# Altium PCB mantarray_beta_drv425_Mounting_Holes.PcbDoc (part 4 of 5) (continued)
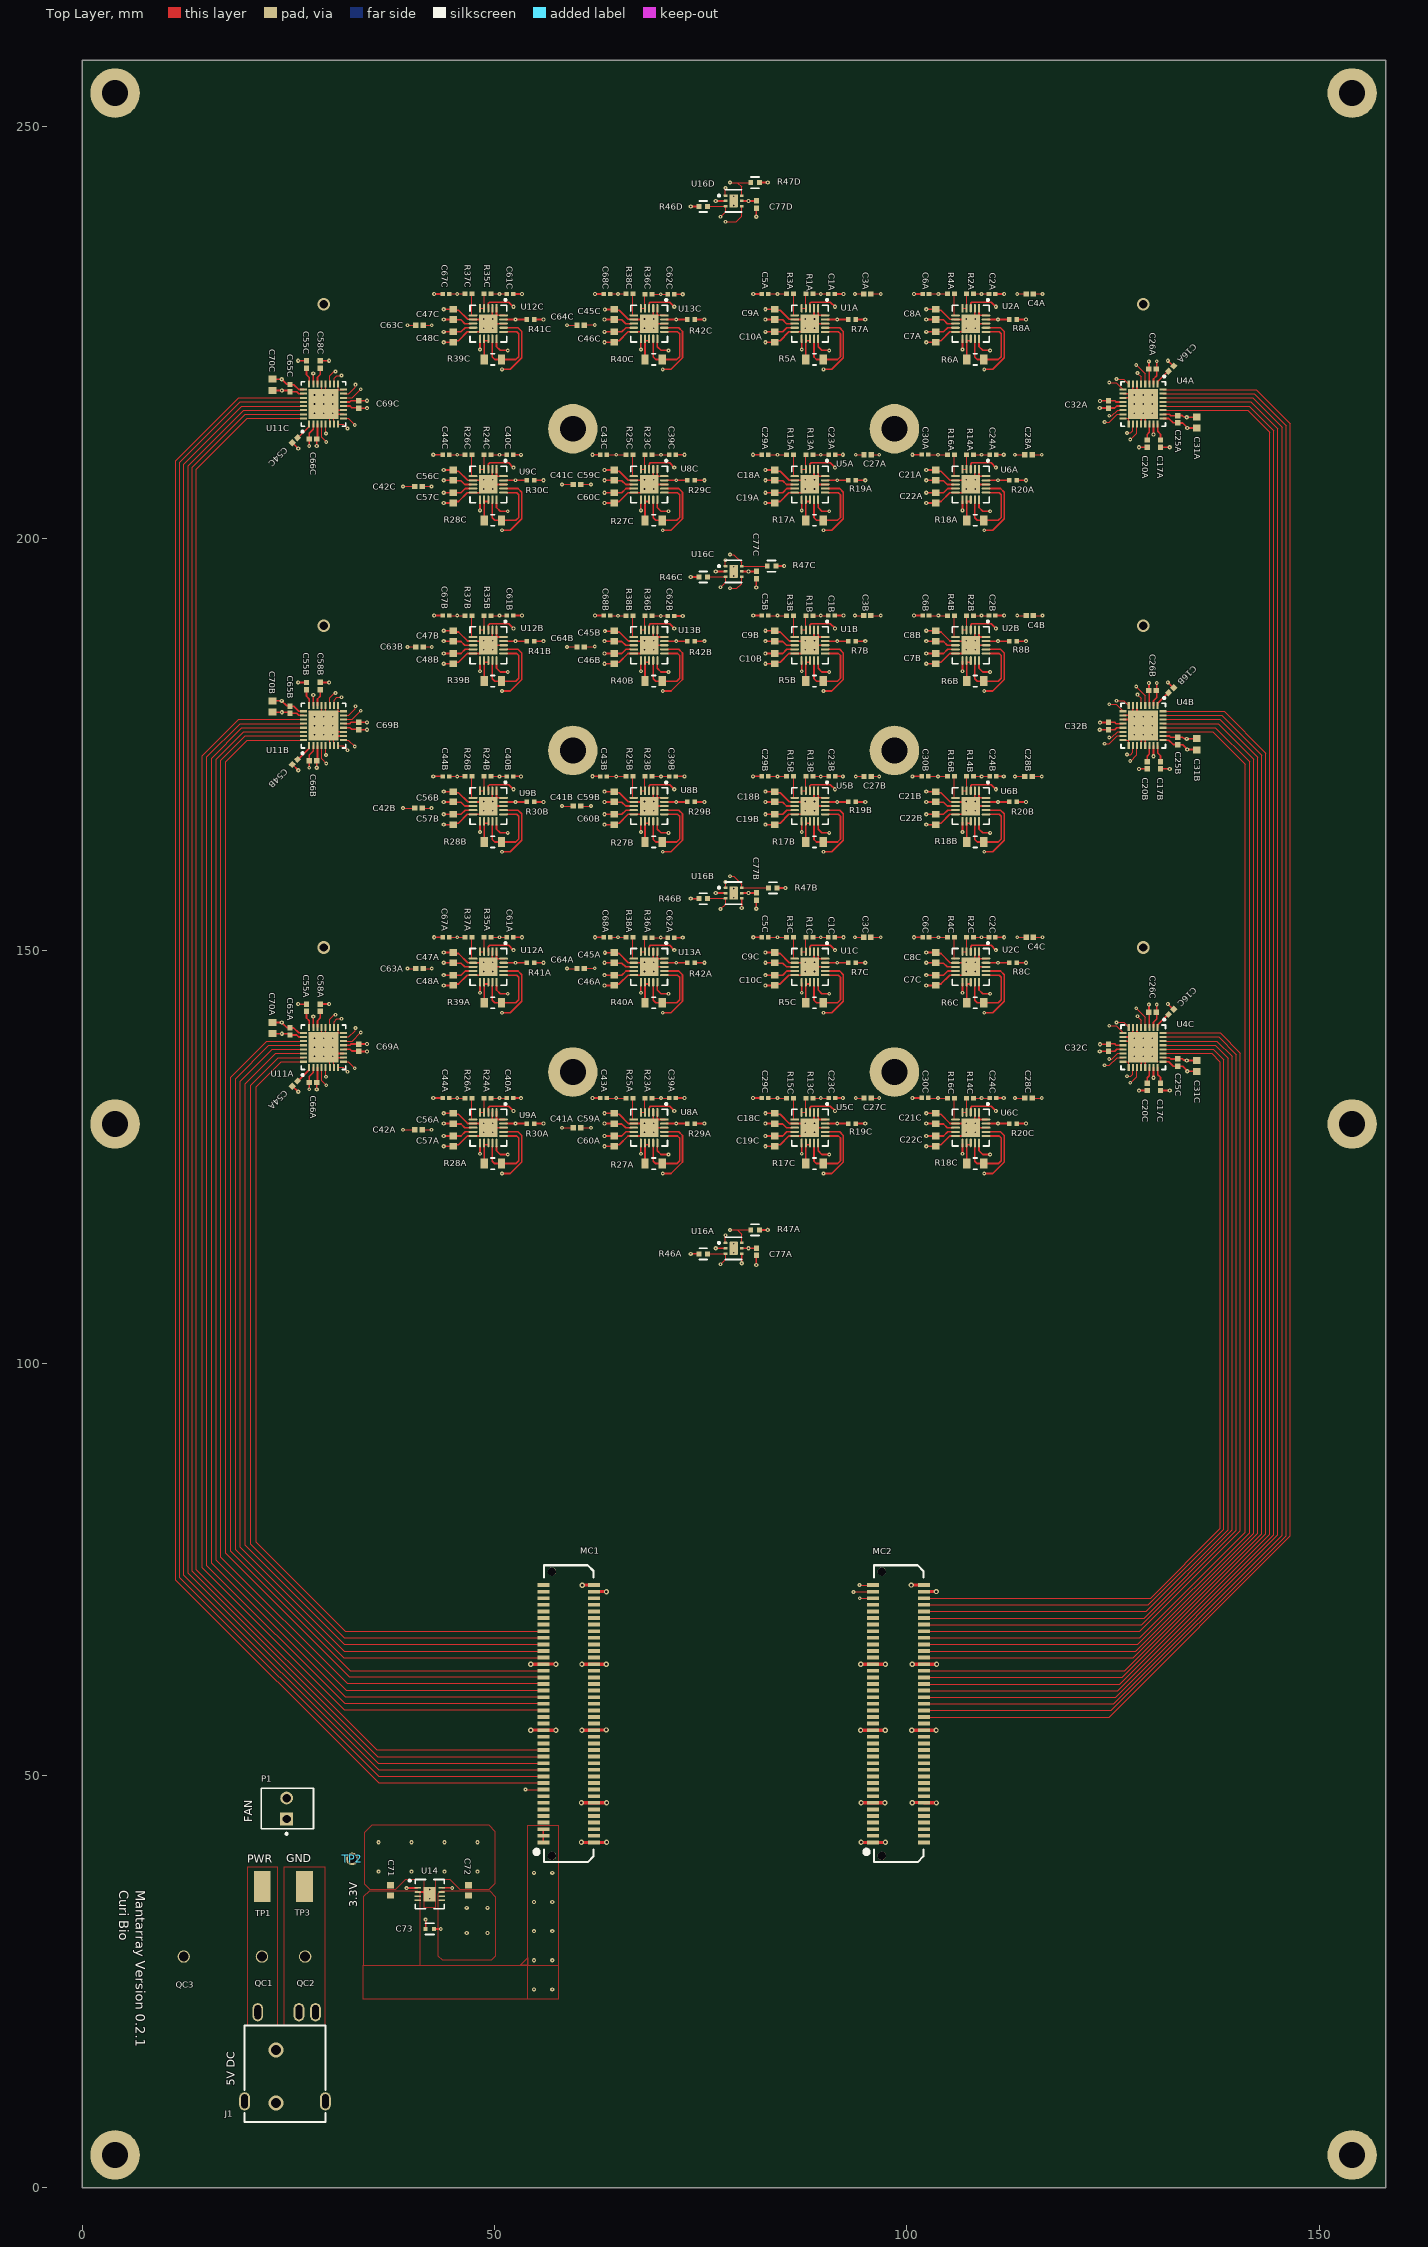
[diagram p0: Top Layer view]
## Nets (pads, with @x,y where several pads share a name; then routed paths per layer and width w, separated by ;. In a path a pad name is that pad's centre, name@x,y a point inside that pad or via, vN(x,y) a via of type N, cw(c..) or ccw(c..) an arc to the next point about the centre after c; other vN are vias at no path point) (continued)
  Top Layer w0.305: v5(100.65,63.5) v5@100.85,63.5 ; MC2.56@102.084,63.5 MC2.56@102.088,63.496
  Top Layer w0.381: v5(54.4,55.5) 55.914,55.5 MC1.35@55.918,55.496 55.92,55.498 55.924,55.498 57.452,55.498 v5(57.458,55.492) ; v5(54.4,63.5) 55.914,63.5 MC1.55@55.918,63.496 55.926,63.504 v5(57.446,63.504) ; v5(60.55,41.9) 62.084,41.9 MC1.2@62.088,41.896 63.596,41.896 v5(63.6,41.9) ; v5(60.55,46.7) 62.084,46.7 MC1.14@62.088,46.696 62.092,46.7 v5(63.6,46.7) ; v5(60.64,73.075) 60.663,73.098 62.085,73.098 MC1.80@62.088,73.096 ; MC1.78@62.088,72.296 63.552,72.296 v5(63.569,72.279) ; v5(94.45,41.9) 94.452,41.898 95.916,41.898 MC2.1@95.918,41.896 95.919,41.898 97.398,41.898 v5(97.4,41.9) ; v5(94.45,46.7) 94.454,46.696 MC2.13@95.918,46.696 95.919,46.698 97.348,46.698 v5(97.35,46.7) ; v5(100.543,73.1) 102.083,73.1 MC2.80@102.088,73.096 ; v5(100.6,55.5) 100.602,55.498 102.086,55.498 MC2.36@102.088,55.496 102.089,55.498 103.548,55.498 v5(103.55,55.5) ; v5(100.645,46.71) 102.074,46.71 MC2.14@102.088,46.696 103.579,46.696 v5(103.591,46.684) ; v5@100.85,63.5 MC2.56@102.084,63.5 ; MC2.56@102.088,63.496 102.091,63.5 v5(103.6,63.5) ; MC2.78@102.088,72.296 103.549,72.296 v5(103.566,72.313)
  other v1: 35.95,38.35 39.95,38.35 43.95,38.35 47.95,38.35 35.95,41.9 39.95,41.9 43.95,41.9 47.95,41.9 53.215,132.135 42.588,132.146 28.037,142.016 26.19,143.547 62.194,151.65 81.369,151.65 42.588,171.146 53.215,171.135 123.399,176.809 28.037,181.016 26.19,182.547 62.194,190.65 81.369,190.65 42.588,210.146 53.215,210.135 28.037,220.016 26.19,221.547 62.194,229.65 81.369,229.65
  other v3: 42.15,35.075 42.15,36.175 48.7,128 49.8,128 69.3,128 88.8,128 108.3,128 48.7,129.1 49.8,129.1 68.2,129.1 69.3,129.1 87.7,129.1 88.8,129.1 107.2,129.1 108.3,129.1 48.7,147.5 49.8,147.5 69.3,147.5 88.8,147.5 108.3,147.5 48.7,148.6 49.8,148.6 68.2,148.6 69.3,148.6 87.7,148.6 88.8,148.6 107.2,148.6 108.3,148.6 48.7,167 49.8,167 69.3,167 88.8,167 108.3,167 48.7,168.1 49.8,168.1 68.2,168.1 69.3,168.1 87.7,168.1 88.8,168.1 107.2,168.1 108.3,168.1 48.7,186.5 49.8,186.5 69.3,186.5 88.8,186.5 108.3,186.5 48.7,187.6 49.8,187.6 68.2,187.6 69.3,187.6 87.7,187.6 88.8,187.6 107.2,187.6 108.3,187.6 48.7,206 49.8,206 69.3,206 88.8,206 108.3,206 48.7,207.1 49.8,207.1 68.2,207.1 69.3,207.1 87.7,207.1 88.8,207.1 107.2,207.1 108.3,207.1 48.7,225.5 49.8,225.5 69.3,225.5 88.8,225.5 108.3,225.5 48.7,226.6 49.8,226.6 68.2,226.6 69.3,226.6 87.7,226.6 88.8,226.6 107.2,226.6 108.3,226.6
  other v4: 28.187,137.2 29.287,137.2 30.387,137.2 128.66,137.2 28.187,138.3 30.387,138.3 127.56,138.3 129.76,138.3 28.187,139.4 29.287,139.4 128.66,139.4 129.76,139.4 28.187,176.2 29.287,176.2 30.387,176.2 128.66,176.2 28.187,177.3 30.387,177.3 127.56,177.3 129.76,177.3 28.187,178.4 29.287,178.4 128.66,178.4 129.76,178.4 28.187,215.2 29.287,215.2 30.387,215.2 128.66,215.2 28.187,216.3 30.387,216.3 127.56,216.3 129.76,216.3 28.187,217.4 29.287,217.4 128.66,217.4 129.76,217.4
  other v6: 29.287,150.4 128.66,150.4 29.287,189.4 128.66,189.4 29.287,228.4 128.66,228.4
MDC_BOOT: MC2.38
MDC_BUZZ: MC2.24
MDC_CTS: MC2.30
MDC_LED: MC2.22
MDC_PD: MC2.26
MDC_RTS: MC2.28
MDC_RXD: MC2.34
MDC_TRIG: MC2.18
MDC_TXD: MC2.32
MDC_WAKE: MC2.20
MISO_0: MC2.48 U4A.28 | length 198.8
  Top Layer w0.127: MC2.48@102.088,60.296 125.585,60.296 144.5,79.211 144.5,213.072 141.522,216.05 U4A.28@131.085,216.05
MISO_1: MC2.62 U4B.28 | length 150.7
  Top Layer w0.127: MC2.62@102.088,65.896 127.985,65.896 141.55,79.461 141.55,172.9 137.4,177.05 U4B.28@131.085,177.05
MISO_2: MC2.74 U4C.28 | length 105
  Top Layer w0.127: MC2.74@102.088,70.696 129.285,70.696 138.45,79.861 138.45,136.772 137.172,138.05 U4C.28@131.085,138.05
MISO_3: MC1.21 U11C.28 | length 207.3
  Top Layer w0.127: U11C.28@26.862,216.55 26.373,216.55 19.172,216.55 11.85,209.228 11.85,73.991 35.945,49.896 MC1.21@55.918,49.896
MISO_4: MC1.43 U11B.28 | length 159.2
  Top Layer w0.127: U11B.28@26.862,177.55 26.373,177.55 19.172,177.55 15.137,173.516 15.137,75.463 31.84,58.76 55.854,58.76 MC1.43@55.918,58.696
MISO_5: MC1.57 U11A.28 | length 109.8
  Top Layer w0.127: U11A.28@26.862,138.55 22.65,138.55 18.6,134.5 18.6,77.4 31.704,64.296 MC1.57@55.918,64.296
MOSI_0: MC2.46 U4A.29 | length 200.4
  Top Layer w0.127: MC2.46@102.088,59.496 125.324,59.496 145,79.172 145,213.279 141.729,216.55 U4A.29@131.085,216.55
MOSI_1: MC2.60 U4B.29 | length 152.5
  Top Layer w0.127: MC2.60@102.088,65.096 127.746,65.096 142.05,79.4 142.05,173.25 137.75,177.55 U4B.29@131.085,177.55
MOSI_2: MC2.72 U4C.29 | length 106.6
  Top Layer w0.127: MC2.72@102.088,69.896 129.024,69.896 138.95,79.822 138.95,136.979 137.379,138.55 U4C.29@131.085,138.55
MOSI_3: MC1.23 U11C.29 | length 205.5
  Top Layer w0.127: U11C.29@26.862,216.05 19.379,216.05 12.35,209.021 12.35,74.291 35.945,50.696 MC1.23@55.918,50.696
MOSI_4: MC1.45 U11B.29 | length 157.3
  Top Layer w0.127: U11B.29@26.862,177.05 19.379,177.05 15.703,173.374 15.703,75.747 31.89,59.56 55.854,59.56 MC1.45@55.918,59.496
MOSI_5: MC1.59 U11A.29 | length 107.7
  Top Layer w0.127: U11A.29@26.862,138.05 23.05,138.05 19.2,134.2 19.2,77.7 31.804,65.096 MC1.59@55.918,65.096
MOSI_DAC: MC2.21
NetC73_1: C73.1 U14.8 | length 7.7
  Top Layer w0.203: C73.1@42.65,31.4 v2(43.5,31.4) ; U14.8@43.7,36.375 v2(44.885,36.375)
  Signal 1 w0.203: v2(43.5,31.4) 43.75,31.4 44.885,32.535 v2(44.885,36.375)
NetR1A_1: R1A.1 U1A.4 U1A.5 | length 2.2
  Top Layer w0.127: U1A.5@87.25,227.9 U1A.4@87.75,227.9 R1A.1@87.75,229.65
NetR1B_1: R1B.1 U1B.4 U1B.5 | length 2.2
  Top Layer w0.127: U1B.5@87.25,188.9 U1B.4@87.75,188.9 R1B.1@87.75,190.65
NetR1C_1: R1C.1 U1C.4 U1C.5 | length 2.2
  Top Layer w0.127: U1C.5@87.25,149.9 U1C.4@87.75,149.9 R1C.1@87.75,151.65
NetR2A_1: R2A.1 U2A.4 U2A.5 | length 2.3
  Top Layer w0.127: U2A.5@106.75,227.9 U2A.4@107.25,227.9 ; U2A.4@107.25,227.85 U2A.4@107.25,227.9 ; R2A.1@107.25,229.675 U2A.4@107.25,227.9
NetR2B_1: R2B.1 U2B.4 U2B.5 | length 2.3
  Top Layer w0.127: U2B.5@106.75,188.9 U2B.4@107.25,188.9 ; U2B.4@107.25,188.85 U2B.4@107.25,188.9 ; R2B.1@107.25,190.675 U2B.4@107.25,188.9
NetR2C_1: R2C.1 U2C.4 U2C.5 | length 2.3
  Top Layer w0.127: U2C.5@106.75,149.9 U2C.4@107.25,149.9 ; U2C.4@107.25,149.85 U2C.4@107.25,149.9 ; R2C.1@107.25,151.675 U2C.4@107.25,149.9
NetR3A_1: R3A.1 U1A.6 | length 2.6
  Top Layer w0.127: U1A.6@86.275,227.05 R3A.1@86.275,229.65
NetR3B_1: R3B.1 U1B.6 | length 2.6
  Top Layer w0.127: U1B.6@86.275,188.05 R3B.1@86.275,190.65
NetR3C_1: R3C.1 U1C.6 | length 2.6
  Top Layer w0.127: U1C.6@86.275,149.05 R3C.1@86.275,151.65
NetR4A_1: R4A.1 U2A.6 | length 2.6
  Top Layer w0.127: U2A.6@105.775,227.05 R4A.1@105.775,229.675
NetR4B_1: R4B.1 U2B.6 | length 2.6
  Top Layer w0.127: U2B.6@105.775,188.05 R4B.1@105.775,190.675
NetR4C_1: R4C.1 U2C.6 | length 2.6
  Top Layer w0.127: U2C.6@105.775,149.05 R4C.1@105.775,151.675
NetR7A_2: R7A.2 U1A.15 U1A.19 | length 8.8
  Top Layer w0.203: U1A.15@89.25,223.8 89.25,223.25 89.7,222.8 v2(90.6,222.8) ; U1A.19@90.351,226.55 v2(91.55,226.55) R7A.2@92.9,226.55
  Signal 1 w0.203: v2(90.6,222.8) 91.55,223.75 v2(91.55,226.55)
NetR7B_2: R7B.2 U1B.15 U1B.19 | length 8.8
  Top Layer w0.203: U1B.15@89.25,184.8 89.25,184.25 89.7,183.8 v2(90.6,183.8) ; U1B.19@90.351,187.55 v2(91.55,187.55) R7B.2@92.9,187.55
  Signal 1 w0.203: v2(90.6,183.8) 91.55,184.75 v2(91.55,187.55)
NetR7C_2: R7C.2 U1C.15 U1C.19 | length 8.8
  Top Layer w0.203: U1C.15@89.25,145.8 89.25,145.25 89.7,144.8 v2(90.6,144.8) ; U1C.19@90.351,148.55 v2(91.55,148.55) R7C.2@92.9,148.55
  Signal 1 w0.203: v2(90.6,144.8) 91.55,145.75 v2(91.55,148.55)
NetR8A_2: R8A.2 U2A.15 U2A.19 | length 8.8
  Top Layer w0.203: U2A.15@108.75,223.8 108.75,223.25 109.2,222.8 v2(110.1,222.8) ; U2A.19@109.851,226.55 v2(111.05,226.55) R8A.2@112.4,226.55
  Signal 1 w0.203: v2(110.1,222.8) 111.05,223.75 v2(111.05,226.55)
NetR8B_2: R8B.2 U2B.15 U2B.19 | length 8.8
  Top Layer w0.203: U2B.15@108.75,184.8 108.75,184.25 109.2,183.8 v2(110.1,183.8) ; U2B.19@109.851,187.55 v2(111.05,187.55) R8B.2@112.4,187.55
  Signal 1 w0.203: v2(110.1,183.8) 111.05,184.75 v2(111.05,187.55)
NetR8C_2: R8C.2 U2C.15 U2C.19 | length 8.8
  Top Layer w0.203: U2C.15@108.75,145.8 108.75,145.25 109.2,144.8 v2(110.1,144.8) ; U2C.19@109.851,148.55 v2(111.05,148.55) R8C.2@112.4,148.55
  Signal 1 w0.203: v2(110.1,144.8) 111.05,145.75 v2(111.05,148.55)
NetR13A_1: R13A.1 U5A.4 U5A.5 | length 2.3
  Top Layer w0.127: U5A.5@87.25,208.4 U5A.4@87.75,208.4 R13A.1@87.75,210.15
NetR13B_1: R13B.1 U5B.4 U5B.5 | length 2.3
  Top Layer w0.127: U5B.5@87.25,169.4 U5B.4@87.75,169.4 R13B.1@87.75,171.15
NetR13C_1: R13C.1 U5C.4 U5C.5 | length 2.3
  Top Layer w0.127: U5C.5@87.25,130.4 U5C.4@87.75,130.4 R13C.1@87.75,132.15
NetR14A_2: R14A.2 U6A.4 U6A.5 | length 2.3
  Top Layer w0.127: U6A.5@106.75,208.4 U6A.4@107.25,208.4 R14A.2@107.25,210.15
NetR14B_2: R14B.2 U6B.4 U6B.5 | length 2.3
  Top Layer w0.127: U6B.5@106.75,169.4 U6B.4@107.25,169.4 R14B.2@107.25,171.15
NetR14C_2: R14C.2 U6C.4 U6C.5 | length 2.3
  Top Layer w0.127: U6C.5@106.75,130.4 U6C.4@107.25,130.4 R14C.2@107.25,132.15
NetR15A_1: R15A.1 U5A.6 | length 2.6
  Top Layer w0.127: U5A.6@86.275,207.55 R15A.1@86.275,210.15
NetR15B_1: R15B.1 U5B.6 | length 2.6
  Top Layer w0.127: U5B.6@86.275,168.55 R15B.1@86.275,171.15
NetR15C_1: R15C.1 U5C.6 | length 2.6
  Top Layer w0.127: U5C.6@86.275,129.55 R15C.1@86.275,132.15
NetR16A_2: R16A.2 U6A.6 | length 2.6
  Top Layer w0.127: U6A.6@105.775,207.55 R16A.2@105.775,210.175
NetR16B_2: R16B.2 U6B.6 | length 2.6
  Top Layer w0.127: U6B.6@105.775,168.55 R16B.2@105.775,171.175
NetR16C_2: R16C.2 U6C.6 | length 2.6
  Top Layer w0.127: U6C.6@105.775,129.55 R16C.2@105.775,132.175
NetR19A_2: R19A.2 U5A.15 U5A.19 | length 8.8
  Top Layer w0.203: U5A.15@89.25,204.3 89.25,203.75 89.7,203.3 v2(90.6,203.3) ; U5A.19@90.351,207.05 v2(91.55,207.05) R19A.2@92.9,207.05
  Signal 1 w0.203: v2(90.6,203.3) 91.55,204.25 v2(91.55,207.05)
NetR19B_2: R19B.2 U5B.15 U5B.19 | length 8.8
  Top Layer w0.203: U5B.15@89.25,165.3 89.25,164.75 89.7,164.3 v2(90.6,164.3) ; U5B.19@90.351,168.05 v2(91.55,168.05) R19B.2@92.9,168.05
  Signal 1 w0.203: v2(90.6,164.3) 91.55,165.25 v2(91.55,168.05)
NetR19C_2: R19C.2 U5C.15 U5C.19 | length 8.8
  Top Layer w0.203: U5C.15@89.25,126.3 89.25,125.75 89.7,125.3 v2(90.6,125.3) ; U5C.19@90.351,129.05 v2(91.55,129.05) R19C.2@92.9,129.05
  Signal 1 w0.203: v2(90.6,125.3) 91.55,126.25 v2(91.55,129.05)
NetR20A_2: R20A.2 U6A.15 U6A.19 | length 8.8
  Top Layer w0.203: U6A.15@108.75,204.3 108.75,203.75 109.2,203.3 v2(110.1,203.3) ; U6A.19@109.851,207.05 v2(111.05,207.05) R20A.2@112.4,207.05
  Signal 1 w0.203: v2(110.1,203.3) 111.05,204.25 v2(111.05,207.05)
NetR20B_2: R20B.2 U6B.15 U6B.19 | length 8.8
  Top Layer w0.203: U6B.15@108.75,165.3 108.75,164.75 109.2,164.3 v2(110.1,164.3) ; U6B.19@109.851,168.05 v2(111.05,168.05) R20B.2@112.4,168.05
  Signal 1 w0.203: v2(110.1,164.3) 111.05,165.25 v2(111.05,168.05)
NetR20C_2: R20C.2 U6C.15 U6C.19 | length 8.8
  Top Layer w0.203: U6C.15@108.75,126.3 108.75,125.75 109.2,125.3 v2(110.1,125.3) ; U6C.19@109.851,129.05 v2(111.05,129.05) R20C.2@112.4,129.05
  Signal 1 w0.203: v2(110.1,125.3) 111.05,126.25 v2(111.05,129.05)
NetR23A_2: R23A.2 U8A.4 U8A.5 | length 2.2
  Top Layer w0.127: U8A.5@67.75,130.4 U8A.4@68.25,130.4 R23A.2@68.25,132.146
NetR23B_2: R23B.2 U8B.4 U8B.5 | length 2.2
  Top Layer w0.127: U8B.5@67.75,169.4 U8B.4@68.25,169.4 R23B.2@68.25,171.146
NetR23C_2: R23C.2 U8C.4 U8C.5 | length 2.2
  Top Layer w0.127: U8C.5@67.75,208.4 U8C.4@68.25,208.4 R23C.2@68.25,210.146
NetR24A_2: R24A.2 U9A.4 U9A.5 | length 2.2
  Top Layer w0.127: U9A.5@48.25,130.4 U9A.4@48.75,130.4 R24A.2@48.75,132.146
NetR24B_2: R24B.2 U9B.4 U9B.5 | length 2.2
  Top Layer w0.127: U9B.5@48.25,169.4 U9B.4@48.75,169.4 R24B.2@48.75,171.146
NetR24C_2: R24C.2 U9C.4 U9C.5 | length 2.2
  Top Layer w0.127: U9C.5@48.25,208.4 U9C.4@48.75,208.4 R24C.2@48.75,210.146
NetR25A_2: R25A.2 U8A.6 | length 2.6
  Top Layer w0.127: U8A.6@66.775,129.55 R25A.2@66.775,132.146
NetR25B_2: R25B.2 U8B.6 | length 2.6
  Top Layer w0.127: U8B.6@66.775,168.55 R25B.2@66.775,171.146
NetR25C_2: R25C.2 U8C.6 | length 2.6
  Top Layer w0.127: U8C.6@66.775,207.55 R25C.2@66.775,210.146
NetR26A_2: R26A.2 U9A.6 | length 2.6
  Top Layer w0.127: U9A.6@47.275,129.55 R26A.2@47.275,132.146
NetR26B_2: R26B.2 U9B.6 | length 2.6
  Top Layer w0.127: U9B.6@47.275,168.55 R26B.2@47.275,171.146
NetR26C_2: R26C.2 U9C.6 | length 2.6
  Top Layer w0.127: U9C.6@47.275,207.55 R26C.2@47.275,210.146
NetR29A_2: R29A.2 U8A.15 U8A.19 | length 8.8
  Top Layer w0.203: U8A.15@69.75,126.3 69.75,125.75 70.2,125.3 v2(71.1,125.3) ; U8A.19@70.851,129.05 v2(72.05,129.05) R29A.2@73.4,129.05
  Signal 1 w0.203: v2(71.1,125.3) 72.05,126.25 v2(72.05,129.05)
NetR29B_2: R29B.2 U8B.15 U8B.19 | length 8.8
  Top Layer w0.203: U8B.15@69.75,165.3 69.75,164.75 70.2,164.3 v2(71.1,164.3) ; U8B.19@70.851,168.05 v2(72.05,168.05) R29B.2@73.4,168.05
  Signal 1 w0.203: v2(71.1,164.3) 72.05,165.25 v2(72.05,168.05)
NetR29C_2: R29C.2 U8C.15 U8C.19 | length 8.8
  Top Layer w0.203: U8C.15@69.75,204.3 69.75,203.75 70.2,203.3 v2(71.1,203.3) ; U8C.19@70.851,207.05 v2(72.05,207.05) R29C.2@73.4,207.05
  Signal 1 w0.203: v2(71.1,203.3) 72.05,204.25 v2(72.05,207.05)
NetR30A_2: R30A.2 U9A.15 U9A.19 | length 8.8
  Top Layer w0.203: U9A.15@50.25,126.3 50.25,125.75 50.7,125.3 v2(51.6,125.3) ; U9A.19@51.351,129.05 v2(52.55,129.05) R30A.2@53.9,129.05
  Signal 1 w0.203: v2(51.6,125.3) 52.55,126.25 v2(52.55,129.05)
NetR30B_2: R30B.2 U9B.15 U9B.19 | length 8.8
  Top Layer w0.203: U9B.15@50.25,165.3 50.25,164.75 50.7,164.3 v2(51.6,164.3) ; U9B.19@51.351,168.05 v2(52.55,168.05) R30B.2@53.9,168.05
  Signal 1 w0.203: v2(51.6,164.3) 52.55,165.25 v2(52.55,168.05)
NetR30C_2: R30C.2 U9C.15 U9C.19 | length 8.8
  Top Layer w0.203: U9C.15@50.25,204.3 50.25,203.75 50.7,203.3 v2(51.6,203.3) ; U9C.19@51.351,207.05 v2(52.55,207.05) R30C.2@53.9,207.05
  Signal 1 w0.203: v2(51.6,203.3) 52.55,204.25 v2(52.55,207.05)
NetR35A_2: R35A.2 U12A.4 U12A.5 | length 2.3
  Top Layer w0.127: U12A.5@48.25,149.9 U12A.4@48.75,149.9 R35A.2@48.75,151.65
NetR35B_2: R35B.2 U12B.4 U12B.5 | length 2.3
  Top Layer w0.127: U12B.5@48.25,188.9 U12B.4@48.75,188.9 R35B.2@48.75,190.65
NetR35C_2: R35C.2 U12C.4 U12C.5 | length 2.3
  Top Layer w0.127: U12C.5@48.25,227.9 U12C.4@48.75,227.9 R35C.2@48.75,229.65
NetR36A_2: R36A.2 U13A.4 U13A.5 | length 2.2
  Top Layer w0.127: U13A.5@67.75,149.9 U13A.4@68.25,149.9 R36A.2@68.25,151.6
NetR36B_2: R36B.2 U13B.4 U13B.5 | length 2.2
  Top Layer w0.127: U13B.5@67.75,188.9 U13B.4@68.25,188.9 R36B.2@68.25,190.6
NetR36C_2: R36C.2 U13C.4 U13C.5 | length 2.2
  Top Layer w0.127: U13C.5@67.75,227.9 U13C.4@68.25,227.9 R36C.2@68.25,229.6
NetR37A_2: R37A.2 U12A.6 | length 2.6
  Top Layer w0.127: U12A.6@47.275,149.05 R37A.2@47.275,151.65
NetR37B_2: R37B.2 U12B.6 | length 2.6
  Top Layer w0.127: U12B.6@47.275,188.05 R37B.2@47.275,190.65
NetR37C_2: R37C.2 U12C.6 | length 2.6
  Top Layer w0.127: U12C.6@47.275,227.05 R37C.2@47.275,229.65
NetR38A_2: R38A.2 U13A.6 | length 2.6
  Top Layer w0.127: U13A.6@66.775,149.05 R38A.2@66.775,151.65
NetR38B_2: R38B.2 U13B.6 | length 2.6
  Top Layer w0.127: U13B.6@66.775,188.05 R38B.2@66.775,190.65
NetR38C_2: R38C.2 U13C.6 | length 2.6
  Top Layer w0.127: U13C.6@66.775,227.05 R38C.2@66.775,229.65
NetR41A_2: R41A.2 U12A.15 U12A.19 | length 8.8
  Top Layer w0.203: U12A.15@50.25,145.8 50.25,145.25 50.7,144.8 v2(51.6,144.8) ; U12A.19@51.351,148.55 v2(52.55,148.55) R41A.2@53.9,148.55
  Signal 1 w0.203: v2(51.6,144.8) 52.55,145.75 v2(52.55,148.55)
NetR41B_2: R41B.2 U12B.15 U12B.19 | length 8.8
  Top Layer w0.203: U12B.15@50.25,184.8 50.25,184.25 50.7,183.8 v2(51.6,183.8) ; U12B.19@51.351,187.55 v2(52.55,187.55) R41B.2@53.9,187.55
  Signal 1 w0.203: v2(51.6,183.8) 52.55,184.75 v2(52.55,187.55)
NetR41C_2: R41C.2 U12C.15 U12C.19 | length 8.8
  Top Layer w0.203: U12C.15@50.25,223.8 50.25,223.25 50.7,222.8 v2(51.6,222.8) ; U12C.19@51.351,226.55 v2(52.55,226.55) R41C.2@53.9,226.55
  Signal 1 w0.203: v2(51.6,222.8) 52.55,223.75 v2(52.55,226.55)
NetR42A_2: R42A.2 U13A.15 U13A.19 | length 8.8
  Top Layer w0.203: U13A.15@69.75,145.8 69.75,145.25 70.2,144.8 v2(71.1,144.8) ; U13A.19@70.851,148.55 v2(72.05,148.55) R42A.2@73.4,148.55
  Signal 1 w0.203: v2(71.1,144.8) 72.05,145.75 v2(72.05,148.55)
NetR42B_2: R42B.2 U13B.15 U13B.19 | length 8.8
  Top Layer w0.203: U13B.15@69.75,184.8 69.75,184.25 70.2,183.8 v2(71.1,183.8) ; U13B.19@70.851,187.55 v2(72.05,187.55) R42B.2@73.4,187.55
  Signal 1 w0.203: v2(71.1,183.8) 72.05,184.75 v2(72.05,187.55)
NetR42C_2: R42C.2 U13C.15 U13C.19 | length 8.8
  Top Layer w0.203: U13C.15@69.75,223.8 69.75,223.25 70.2,222.8 v2(71.1,222.8) ; U13C.19@70.851,226.55 v2(72.05,226.55) R42C.2@73.4,226.55
  Signal 1 w0.203: v2(71.1,222.8) 72.05,223.75 v2(72.05,226.55)
PWR_IN: J1.1 QC1.1 TP1.1
REF_2p5_LA: C58A.2 U11A.22 | length 1.9
  Top Layer w0.203: U11A.22@28.537,140.725 28.537,141.537 28.872,141.872 C58A.2@28.872,142.47
REF_2p5_LB: C58B.2 U11B.22 | length 1.9
  Top Layer w0.203: U11B.22@28.537,179.725 28.537,180.537 28.872,180.872 C58B.2@28.872,181.47
REF_2p5_LC: C58C.2 U11C.22 | length 1.9
  Top Layer w0.203: U11C.22@28.537,218.725 28.537,219.537 28.872,219.872 C58C.2@28.872,220.47
REF_2p5_RA: C20A.2 U4A.22 | length 2
  Top Layer w0.203: C20A.2@129.15,211.94 129.15,212.6 129.41,212.86 U4A.22@129.41,213.875
REF_2p5_RB: C20B.2 U4B.22 | length 2
  Top Layer w0.203: C20B.2@129.15,172.94 129.15,173.6 129.41,173.86 U4B.22@129.41,174.875
REF_2p5_RC: C20C.2 U4C.22 | length 2
  Top Layer w0.203: C20C.2@129.15,133.94 129.15,134.6 129.41,134.86 U4C.22@129.41,135.875
REGCAPALA: C55A.2 U11A.24 | length 1.9
  Top Layer w0.203: C55A.2@27.202,142.46 27.202,141.848 27.537,141.513 U11A.24@27.537,140.725 ; C55A.2@27.3,142.64 27.31,142.64 C55A.2@27.3,142.65
REGCAPALB: C55B.2 U11B.24 | length 1.9
  Top Layer w0.203: C55B.2@27.202,181.46 27.202,180.848 27.537,180.513 U11B.24@27.537,179.725 ; C55B.2@27.3,181.64 27.31,181.64 C55B.2@27.3,181.65
REGCAPALC: C55C.2 U11C.24 | length 1.9
  Top Layer w0.203: C55C.2@27.202,220.46 27.202,219.848 27.537,219.513 U11C.24@27.537,218.725 ; C55C.2@27.3,220.64 27.31,220.64 C55C.2@27.3,220.65
REGCAPARA: C17A.2 U4A.24 | length 2.1
  Top Layer w0.203: U4A.24@130.41,213.875 130.41,212.99 130.75,212.65 130.75,212.025 C17A.2@130.675,211.95 ; C17A.2@130.74,211.95 C17A.2@130.75,211.94
REGCAPARB: C17B.2 U4B.24 | length 2.1
  Top Layer w0.203: U4B.24@130.41,174.875 130.41,173.99 130.75,173.65 130.75,173.025 C17B.2@130.675,172.95 ; C17B.2@130.74,172.95 C17B.2@130.75,172.94
REGCAPARC: C17C.2 U4C.24 | length 2.1
  Top Layer w0.203: U4C.24@130.41,135.875 130.41,134.99 130.75,134.65 130.75,134.025 C17C.2@130.675,133.95 ; C17C.2@130.74,133.95 C17C.2@130.75,133.94
REGCAPDLA: C54A.2 U11A.1 | length 2.4
  Top Layer w0.203: C54A.2@26.142,134.18 27.537,135.575 U11A.1@27.537,135.773 ; U11A.1@27.513,135.75 U11A.1@27.537,135.773 ; U11A.1@27.537,135.773 U11A.1@27.537,135.875 U11A.1@27.537,135.773
REGCAPDLB: C54B.2 U11B.1 | length 2.4
  Top Layer w0.203: C54B.2@26.142,173.18 27.537,174.575 U11B.1@27.537,174.773 ; U11B.1@27.513,174.75 U11B.1@27.537,174.773 ; U11B.1@27.537,174.773 U11B.1@27.537,174.875 U11B.1@27.537,174.773
REGCAPDLC: C54C.2 U11C.1 | length 2.4
  Top Layer w0.203: C54C.2@26.142,212.18 27.537,213.575 U11C.1@27.537,213.773 ; U11C.1@27.513,213.75 U11C.1@27.537,213.773 ; U11C.1@27.537,213.875 U11C.1@27.537,213.773 ; U11C.1@27.537,213.875 U11C.1@27.537,213.773
REGCAPDRA: C16A.2 U4A.1 | length 2.2
  Top Layer w0.203: U4A.1@130.41,218.725 130.41,219.025 131.695,220.31 C16A.2@131.728,220.278
REGCAPDRB: C16B.2 U4B.1 | length 2.2
  Top Layer w0.203: U4B.1@130.41,179.725 130.41,180.025 131.695,181.31 C16B.2@131.728,181.278
REGCAPDRC: C16C.2 U4C.1 | length 2.2
  Top Layer w0.203: U4C.1@130.41,140.725 130.41,141.025 131.695,142.31 C16C.2@131.728,142.278
RST_B_DAC: MC2.15
SB_B_DAC: MC2.16
SCL_T: MC2.77 U16A.1 U16B.1 U16C.1 U16D.1 U16D.4 | length 186.8
  Top Layer w0.127: v2(78,115.5) 78.012,115.487 78.012,114.587 U16A.1@78.025,114.575 ; v2(78,158.35) 78.025,158.325 U16B.1@78.025,157.65 ; v2(78,197.35) 78,196.675 U16C.1@78.025,196.65 ; v2(78,238.4) 79.3,238.4 79.975,239.075 U16D.4@79.975,240.275 ; v2@78.012,242.487 78.012,241.587 U16D.1@78.025,241.575 ; v2(93.532,72.268) 95.89,72.268 MC2.77@95.918,72.296
  Signal 1 w0.127: v2(78,242.5) v2(78,238.4) v2(78,197.35) v2(78,158.35) 78,153.45 v2(78,115.5) 78,86.05 91.782,72.268 v2(93.532,72.268)
SCLK_0: MC2.44 U4A.30 | length 202.1
  Top Layer w0.127: MC2.44@102.088,58.696 125.062,58.696 145.5,79.134 145.5,213.486 141.936,217.05 U4A.30@131.085,217.05
SCLK_1: MC2.58 U4B.30 | length 154.1
  Top Layer w0.127: MC2.58@102.088,64.296 127.462,64.296 142.55,79.384 142.55,173.45 137.95,178.05 U4B.30@131.085,178.05
SCLK_2: MC2.70 U4C.30 | length 108.3
  Top Layer w0.127: MC2.70@102.088,69.096 128.762,69.096 139.45,79.784 139.45,137.186 137.586,139.05 U4C.30@131.085,139.05
SCLK_3: MC1.25 U11C.30 | length 203.7
  Top Layer w0.127: U11C.30@26.862,215.55 26.373,215.55 19.586,215.55 12.85,208.814 12.85,74.541 35.894,51.496 MC1.25@55.918,51.496
SCLK_4: MC1.47 U11B.30 | length 155.3
  Top Layer w0.127: U11B.30@26.862,176.55 26.373,176.55 19.586,176.55 16.269,173.233 16.269,76.131 32.04,60.36 55.854,60.36 MC1.47@55.918,60.296
SCLK_5: MC1.61 U11A.30 | length 105.7
  Top Layer w0.127: U11A.30@26.862,137.55 23.45,137.55 19.8,133.9 19.8,77.9 31.804,65.896 MC1.61@55.918,65.896
SCLK_DAC: MC2.19
SDA_T: MC2.79 R47A.2 R47B.2 R47C.2 R47D.2 U16A.6 U16B.6 U16C.4 U16C.6 U16D.6 | length 201.4
  Top Layer w0.127: v2(78.55,116.15) 79.45,116.15 ; v2(78.55,159.05) 79.011,159.05 79.975,158.086 U16B.6@79.975,157.65 R47B.2@83.2,157.65 ; v2(78.55,193.95) 79.4,193.95 79.975,194.525 U16C.4@79.975,195.35 ; v2(78.55,198.05) 79.011,198.05 79.975,197.086 U16C.6@79.975,196.65 R47C.2@83.075,196.65 ; v2(78.55,243.15) 79.45,243.15 ; U16A.6@79.975,114.575 79.975,115.625 79.45,116.15 ; U16D.6@79.975,241.575 79.975,242.625 79.45,243.15 ; R47A.2@81.075,116.15 79.45,116.15 ; R47D.2@81.075,243.15 79.45,243.15 ; v2(94.25,73.1) 95.914,73.1 MC2.79@95.918,73.096
  Signal 1 w0.127: 78.55,113.65 v2(78.55,116.15) 78.55,153.95 v2(78.55,193.95) v2(78.55,198.05) v2(78.55,243.15) ; 78.559,113.65 78.559,86.65 92.109,73.1 v2(94.25,73.1)
SYNC_B_0: MC2.50 U4A.27 | length 197.1
  Top Layer w0.127: MC2.50@102.088,61.096 125.846,61.096 144,79.25 144,212.864 141.315,215.55 U4A.27@131.085,215.55
SYNC_B_1: MC2.64 U4B.27 | length 149
  Top Layer w0.127: MC2.64@102.088,66.696 128.246,66.696 141.05,79.5 141.05,172.6 137.1,176.55 U4B.27@131.085,176.55
SYNC_B_2: MC2.76 U4C.27 | length 103.3
  Top Layer w0.127: MC2.76@102.088,71.496 129.546,71.496 137.95,79.9 137.95,136.55 136.95,137.55 U4C.27@131.085,137.55
SYNC_B_3: MC1.19 U11C.27 | length 209.2
  Top Layer w0.127: U11C.27@26.862,217.05 18.964,217.05 11.35,209.435 11.35,73.691 35.945,49.096 MC1.19@55.918,49.096
SYNC_B_4: MC1.41 U11B.27 | length 161.1
  Top Layer w0.127: U11B.27@26.862,178.05 18.964,178.05 14.572,173.657 14.572,75.172 31.784,57.96 55.854,57.96 MC1.41@55.918,57.896
SYNC_B_5: MC1.53 U11A.27 | length 112.1
  Top Layer w0.127: U11A.27@26.862,139.05 22.4,139.05 18,134.65 18,77.2 32.504,62.696 MC1.53@55.918,62.696
pads on no net: J1. MC1.4 MC1.6 MC1.7 MC1.8 MC1.9 MC1.10 MC1.11 MC1.12 MC1.13 MC1.16 MC1.18 MC1.20 MC1.22 MC1.24 MC1.26 MC1.28 MC1.30 MC1.31 MC1.32 MC1.33 MC1.34 MC1.37 MC1.38 MC1.39 MC1.40 MC1.42 MC1.44 MC1.46 MC1.48 MC1.50 MC1.52 MC1.54 MC1.58 MC1.60 MC1.62 MC1.64 MC1.66 MC1.67 MC1.68 MC1.69 MC1.70 MC1.71 MC1.72 MC1.73 MC1.74 MC1.75 MC1.76 MC1.77 MC1.79 MC1.81 MC1.82 MC2.2 MC2.3 MC2.4 MC2.5 MC2.6 MC2.7 MC2.8 MC2.9 MC2.11 MC2.23 MC2.25 MC2.27 MC2.29 MC2.31 MC2.33 MC2.37 MC2.39 MC2.41 MC2.43 MC2.45 MC2.47 MC2.49 MC2.51 MC2.53 MC2.57 MC2.59 MC2.61 MC2.63 MC2.65 MC2.67 MC2.69 MC2.71 MC2.73 MC2.81 MC2.82 U16A.7 U16B.7 U16C.7 U16D.7
copper on no net:
  other v3: 79,113.375 79,114.475 79,156.45 79,157.55 79,195.45 79,196.55 79,240.375 79,241.475
  other v7: 23.5,10.3 23.5,16.7

## Polygon pours and split planes (outlines as drawn)
+5V on Top Layer "NONET_L01_P063" (solid, shelved, pour order 63): 54.05,27 53.15,27 54.05,27.9